# Allegro board A523-EVB-AXP717C-LPDDR4-4X-32X1-V1-0.brd (continued)
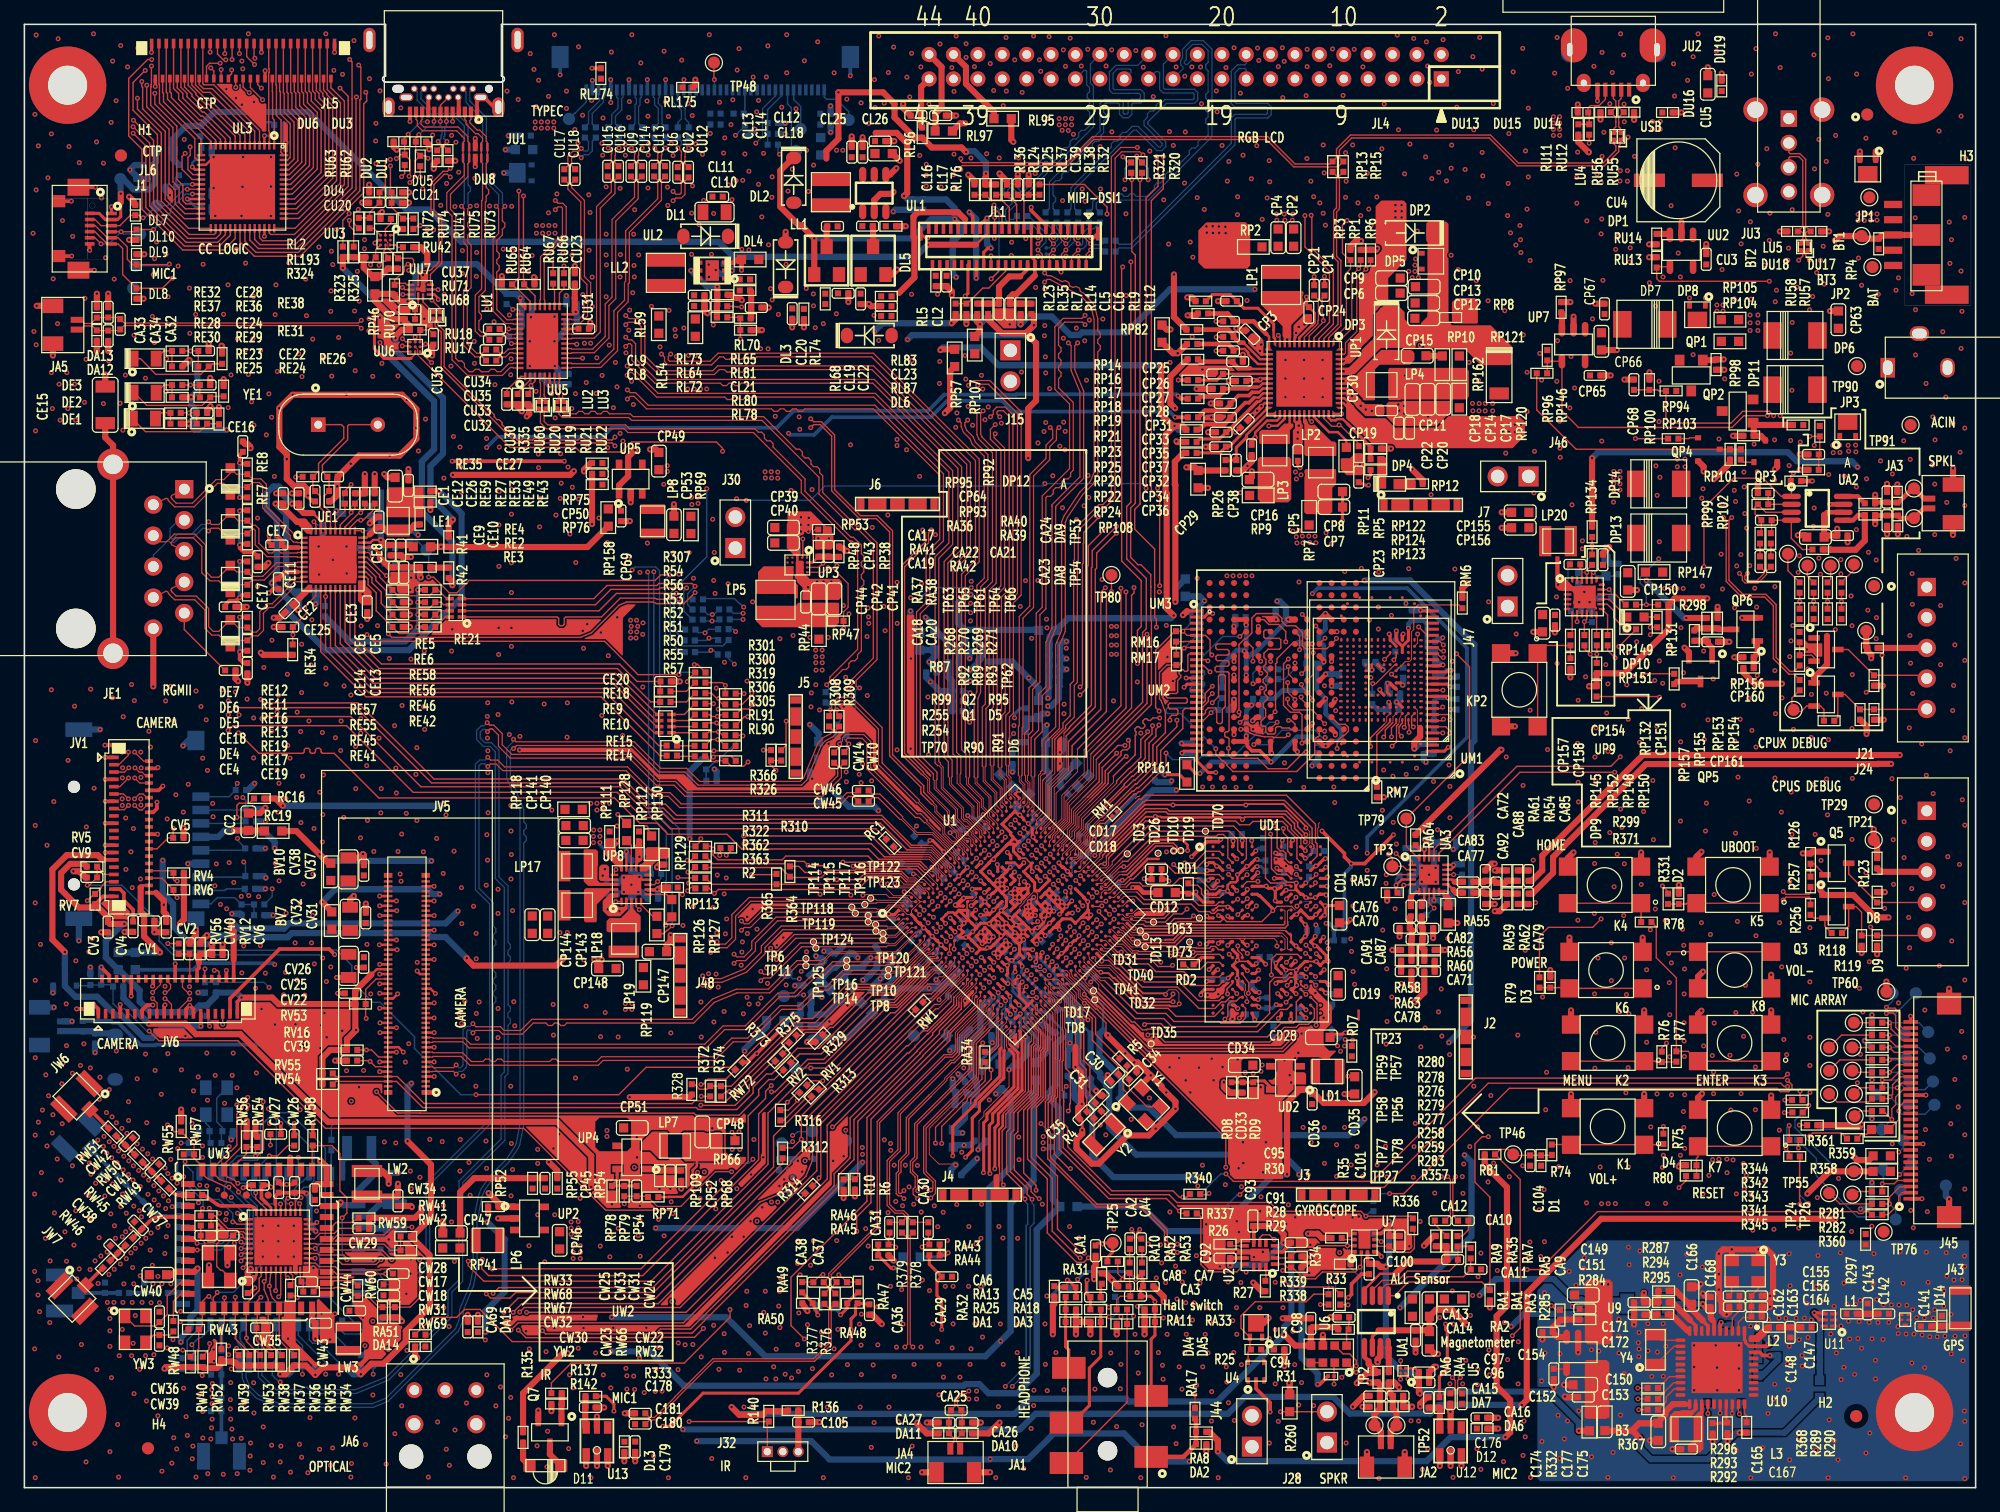
[diagram p0: board, top side]
## Routing (per net, layer and track width the routed paths; a pad name or vN(x,y) marks a point on that pad's centre or on a via; arc(x,y) is an arc through that point) (continued)
SAA2: length 18.5
  TOP w0.102: U1.AC26 88.63,48.05 v1(88.68,48.09) ; v1(104.27,48.41) 103.87,48.01 UD1.H9
  L4 w0.114: v1(88.68,48.09) 88.72,48.09 89.4,48.77 91.82,48.77 92.36,49.31 98.97,49.31 98.98,49.32 99.55,49.32 99.83,49.04 99.83,48.9 100.09,48.64 100.59,48.64 101.16,48.06 101.17,48.06 101.38,47.85 101.38,47.85 101.52,47.71 103.56,47.71 103.67,47.82 103.68,47.82 103.95,48.09 103.95,48.1 v1(104.27,48.41)
SAA3: length 18.9
  TOP w0.102: v1(88.35,47.71) 88.34,47.71 88.29,47.66 87.63,47.66 U1.AC25
  TOP w0.114: UD1.H10 v1(104.34,47.69)
  L4 w0.114: v1(104.34,47.69) 104.02,47.37 104.02,47.37 103.14,46.49 94.18,46.49 92.22,48.45 89.56,48.45 88.77,47.66 88.41,47.66 88.35,47.71 v1(88.35,47.71)
SAA4: length 19.1
  TOP w0.102: UD1.H11 105.47,48.01 v1(105.14,47.69)
  TOP w0.114: U1.AE26 v1(88.98,47.02)
  L4 w0.076: 88.98,47.44 89.25,47.71 92.43,47.71
  L4 w0.114: 88.98,47.44 v1(88.98,47.02) ; v1(105.14,47.69) 105.14,47.36 103.9,46.12 94.03,46.12 92.43,47.71
SAA5: length 19.1
  TOP w0.102: v1(89.38,47.37) 89.33,47.37 U1.AE27
  TOP w0.114: UD1.J11 105.78,47.68 v1(105.89,47.68)
  L4 w0.076: 92.1,47.42 89.43,47.42 v1(89.38,47.37)
  L4 w0.114: 92.1,47.42 93.77,45.75 104.05,45.75 105.89,47.59 v1(105.89,47.68)
SAB0: length 13.1
  TOP w0.114: U1.AE21 86.89,45.63 v1(87.19,45.93) ; v1(94.65,43.5) 94.7,43.45 95.88,43.45 96.16,43.73 98,43.73 UD1.R2
  L4 w0.076: 91.38,44.65 90.45,44.65 90.44,44.64 89.6,44.64 89.08,45.16 88.71,45.16 87.94,45.93 v1(87.19,45.93)
  L4 w0.114: v1(94.65,43.5) 94.65,43.41 94.46,43.22 93.72,43.22 93.47,43.48 92.55,43.48 91.38,44.65
SAB1: length 13.5
  TOP w0.114: U1.AD21 86.53,46.03 v1(86.81,46.31) ; UD1.P2 97.92,44.11 97.65,44.38 97.32,44.38 97.17,44.24 96.12,44.24 96.08,44.28 95.38,44.28 94.97,43.87 94.28,43.87 94.02,43.6 v1(93.96,43.6)
  L4 w0.076: v1(86.81,46.31) 87.42,46.31 87.63,46.1 87.98,46.1 88.73,45.35 91.2,45.35
  L4 w0.114: v1(93.96,43.6) 93.94,43.6 93.69,43.85 92.7,43.85 91.2,45.35
SAB2: length 19.3
  TOP w0.102: UD1.R9 103.87,43.46 103.58,43.18 v1(103.48,43.08)
  TOP w0.114: U1.AG21 v1(87.92,45.19)
  L4 w0.076: 90.71,44.27 89.46,44.27 89.11,44.62 88.5,44.62 v1(87.92,45.19)
  L4 w0.114: v1(103.48,43.08) 102.77,42.37 102.77,42.01 102.11,41.35 97.75,41.35 97.55,41.15 96.64,41.15 96.36,41.43 93.56,41.43 90.71,44.27
SAB3: length 20.7
  TOP w0.114: v1(102.25,42.05) 102.25,43.32 102.66,43.73 104.4,43.73 UD1.R10 ; U1.AF21 87.24,45.27 v1(87.55,45.57)
  L4 w0.076: 91.04,44.45 89.54,44.45 89.03,44.96 88.66,44.96 88.04,45.57 v1(87.55,45.57)
  L4 w0.114: v1(102.25,42.05) 102.22,42.08 101.03,42.08 101.01,42.06 99.66,42.06 99.6,42.12 98.53,42.12 98.44,42.02 93.48,42.02 91.05,44.45 91.04,44.45
SAB4: length 20.5
  TOP w0.102: U1.AE23 87.86,46.55 87.91,46.55 v1(87.93,46.57) ; UD1.R11 105.12,43.81 v1(105.05,43.81)
  L4 w0.076: 89.13,45.87 88.43,46.57 v1(87.93,46.57)
  L4 w0.114: 89.13,45.87 90.25,45.87 90.64,46.26 91.39,46.26 93.02,44.63 95.66,44.63 96.19,44.1 99.15,44.1 99.27,43.98 99.66,43.98 99.92,44.25 99.92,44.61 100.13,44.82 103.31,44.82 104.32,43.81 v1(105.05,43.81)
SAB5: length 17.9
  TOP w0.102: v1(105.09,44.49) UD1.P11 ; U1.AG25 v1(89.35,46.62)
  L4 w0.114: v1(89.35,46.62) 89.64,46.91 91.48,46.91 91.76,46.63 92.08,46.63 93.35,45.37 104.21,45.37 v1(105.09,44.49)
SBU1: length 44.3
  TOP w0.114: v1(33.39,92.27) 33.33,92.27 UU6.A1 ; RU62.2 32.01,108.78 32.01,107.43 v1(31.61,107.03) ; RU62.2 32.09,109.59 DU3.2 32.09,110.69 v1(32.34,110.95) ; RU62.2 32.89,109.22 v1(33.1,109.02) ; v1(32.89,93.78) 32.67,93.56 UU6.B1 ; v1(33.59,112.04) 33.62,112.06 JU1.A8
  L4 w0.114: v1(32.89,93.78) 32.89,94.1 31.34,95.66 30.98,95.66 30.15,96.48 30.15,102.79 31.06,103.7 31.06,106.48 v1(31.61,107.03) ; v1(33.39,92.27) 33.8,92.67 33.8,94.04 30.57,97.27 30.57,102.76 32.23,104.42 32.23,106.74 32.94,107.45 32.94,108.41 33.1,108.56 v1(33.1,109.02)
  BOTTOM w0.114: v1(33.59,112.04) 33.59,111.75 33.48,111.63 33.03,111.63 v1(32.34,110.95)
SBU1-1: length 19.8
  TOP w0.114: v1(40.55,106.33) 40.55,99.23 RU65.1 40.34,98.34 40.41,98.34 41.47,97.28 UU5.27 ; RU62.1 32.46,107.49 v1(32.47,107.49)
  L3 w0.114: v1(40.55,106.33) 33.62,106.33 v1(32.47,107.49)
SBU2: length 45.3
  TOP w0.114: v1(29.16,93.9) 29.16,93.83 29.83,93.16 UU6.A3 ; v1(31.55,107.54) 31.62,107.62 31.62,108.88 RU63.2 ; v1(30.51,108.99) 30.83,109.32 RU63.2 ; v1(30.99,93.63) 31.57,93.63 UU6.B3 ; RU63.2 31.18,110.33 DU6.2 31.13,110.64 v1(31.47,110.98)
  L4 w0.076: JU1.B8 34.12,114.72 33.81,114.41 33.81,114.41 33.58,114.18 33.58,113.72
  L4 w0.114: v1(31.55,107.54) 30.71,106.71 30.71,103.8 29.84,102.93 29.84,94.34 30.55,93.63 v1(30.99,93.63) ; v1(33.05,112.02) 33.05,113.18 33.58,113.72 ; v1(30.51,108.99) 30.38,108.86 30.38,104 29.56,103.17 29.56,94.3 v1(29.16,93.9)
  BOTTOM w0.114: v1(31.47,110.98) 32.5,112.02 v1(33.05,112.02)
SBU2-1: length 21.3
  TOP w0.114: UU5.26 41.87,97.73 41.34,98.27 41.34,98.32 RU64.1 40.98,99.09 40.92,99.14 v1(40.92,105.93) ; RU63.1 31.18,107.76 v1(30.93,107.51)
  L3 w0.114: v1(30.93,107.51) 31.25,107.19 31.25,106.88 31.46,106.67 31.77,106.67 32.51,105.93 v1(40.92,105.93)
SCKE0-A: length 10.9
  TOP w0.076: 91.56,46.19 90.87,46.19 90.87,46.19 90.53,46.53 90.17,46.53 U1.AH27
  TOP w0.114: 91.56,46.19 91.75,46.19 91.9,46.05 93.68,46.05 94.3,46.67 95.64,46.67 v1(95.86,46.89) ; UD1.J4 99.87,47.36 v1(99.5,46.99)
  L4 w0.114: v1(95.86,46.89) 96.24,47.27 98.86,47.27 99.18,46.95 99.46,46.95 v1(99.5,46.99)
SCKE0-B: length 13.2
  TOP w0.076: 89.49,44.38 89.92,44.38 90.07,44.23 90.26,44.05 90.26,44.05 90.72,43.59
  TOP w0.097: U1.AJ23 89.49,44.38
  TOP w0.102: v1(100.28,43.81) 99.98,44.11 UD1.P4
  TOP w0.114: 90.72,43.59 90.97,43.59 91.19,43.37 92.32,43.37 92.95,42.74 94.05,42.74 v1(94.15,42.84)
  L4 w0.114: v1(94.15,42.84) 94.16,42.82 96.42,42.82 96.88,43.29 98.84,43.29 99.23,43.67 100.14,43.67 v1(100.28,43.81)
SCKE1-A: length 13.3
  TOP w0.076: U1.AG27 90.07,46.99 90.32,46.74 90.53,46.74 90.67,46.89 90.88,46.89 91.02,46.74 91.59,46.74
  TOP w0.102: v1(101.02,47.7) 100.68,47.36 UD1.J5
  TOP w0.114: v1(94.44,47.45) 94.21,47.45 93.45,46.69 91.64,46.69 91.59,46.74
  L4 w0.114: v1(94.44,47.45) 94.84,47.05 95.49,47.05 96.18,47.74 98.21,47.74 98.42,47.94 98.81,47.94 99.34,47.41 99.71,47.41 99.81,47.31 100.63,47.31 v1(101.02,47.7)
SCKE1-B: length 15.2
  TOP w0.076: U1.AH23 89.01,45.22 89.66,44.57 90.07,44.57 90.81,43.83
  TOP w0.102: v1(101.02,44.42) 100.98,44.42 UD1.P5
  TOP w0.114: 90.81,43.83 91.25,43.83 91.35,43.73 92.69,43.73 93.18,43.25 v1(93.18,43.1)
  L4 w0.114: v1(101.02,44.42) 101.02,44.06 99.87,42.91 98.49,42.91 98.48,42.92 97.04,42.92 96.51,42.39 94.03,42.39 93.35,43.07 93.2,43.07 v1(93.18,43.1)
SCKN-A: length 15.7
  TOP w0.076: UD1.J9 103.65,47.36 103.57,47.28 103.57,46.46 103.59,46.43 103.59,46.41 ; 91.38,45.29 91.36,45.31 90.75,45.31 90.13,45.93 U1.AJ26
  TOP w0.114: TD40.1 91.95,45.29
  TOP w0.127: 103.59,46.41 103.59,46.13 103.37,45.9 94.78,45.9 94.17,45.29 91.38,45.29
SCKN-B: length 16.2
  TOP w0.076: U1.AJ25 89.79,45.5 90,45.5 90.3,45.2 90.3,45.12 90.36,45.06 90.49,44.93 90.49,44.93 90.88,44.54 91.26,44.54 ; 91.26,44.54 91.45,44.54 91.48,44.57 ; 91.26,44.54 TD41.1 ; 102.95,45.49 103.13,45.49 103.57,45.05 103.57,44.19 103.64,44.11 UD1.P9
  TOP w0.127: 91.48,44.57 91.6,44.69 94.29,44.69 95.08,45.49 102.95,45.49
SCKP-A: length 15.8
  TOP w0.076: UD1.J8 103.29,47.36 103.37,47.29 103.37,46.46 103.34,46.43 103.34,46.41 ; U1.AH26 90.07,46.28 90.83,45.52 91.35,45.52 91.38,45.54 91.38,45.54
  TOP w0.114: TD31.1 91.49,45.54 91.5,45.54
  TOP w0.127: 103.34,46.41 103.34,46.23 103.26,46.16 94.68,46.16 94.06,45.54 91.38,45.54
SCKP-B: length 17
  TOP w0.076: 102.85,45.23 103.1,45.23 103.37,44.96 103.37,44.19 103.29,44.11 UD1.P8 ; U1.AH24 88.94,45.64 88.94,45.73 89,45.79 89.14,45.79 89.64,45.3 89.91,45.3 90.1,45.11 90.1,45.03 90.21,44.92 90.28,44.85 90.28,44.85 90.79,44.34 91.61,44.34
  TOP w0.114: TD32.1 91.9,44.44 91.9,44.44
  TOP w0.127: 91.61,44.34 91.71,44.44 94.4,44.44 95.19,45.23 102.85,45.23
SCS0-A: length 11.2
  TOP w0.076: U1.AJ28 90.91,46.5 91.87,46.5
  TOP w0.114: UD1.H4 99.98,48.01 100.27,48.3 v1(100.28,48.3) ; 91.87,46.5 91.99,46.38 TD13.1 93.55,46.38 94.22,47.05 94.93,47.05 v1(95.33,47.45)
  L4 w0.114: v1(95.33,47.45) 95.99,48.11 97.9,48.11 98.05,48.25 98.98,48.25 99.34,47.89 99.86,47.89 v1(100.28,48.3)
SCS0-B: length 14.8
  TOP w0.102: v1(99.49,44.42) 99.49,44.07 99.87,43.7 UD1.R4
  TOP w0.114: U1.AF25 88.11,47.18 v1(88.11,47.26)
  L4 w0.114: v1(99.49,44.42) 98.92,45 93.17,45 91.87,46.29 91.69,46.29 91.47,46.52 90.36,46.52 90.07,46.23 89.23,46.23 88.29,47.17 88.21,47.17 88.12,47.26 v1(88.11,47.26)
SCS1-A: length 10.4
  TOP w0.076: 91.26,47.47 90.88,47.09 90.53,47.09 U1.AH28
  TOP w0.114: UD1.H3 99.17,48.01 99.42,48.26 v1(99.49,48.26) ; 91.26,47.47 v1(93.7,47.47)
  L4 w0.114: v1(93.7,47.47) 94.72,48.49 97.05,48.49 97.13,48.57 99.18,48.57 v1(99.49,48.26)
SCS1-B: length 12.5
  TOP w0.102: U1.AF23 88.24,46.23 v1(88.31,46.23)
  TOP w0.114: UD1.R3 99.07,43.46 v1(98.79,43.74)
  L4 w0.076: v1(88.31,46.23) 89,45.53 91.54,45.53
  L4 w0.114: v1(98.79,43.74) 98.71,43.66 96.13,43.66 96.03,43.55 95.43,43.55 94.74,44.25 92.82,44.25 91.54,45.53
SDC0-CLK: length 72.4
  TOP w0.114: RC1.2 69.81,54.04 52.97,54.04 52.05,54.95 50.69,54.95 48.62,57.02 31.88,57.02 26.42,62.48 17.09,62.48 v1(16.71,62.1)
  L3 w0.114: v1(17.47,53.24) 17.29,53.24 16.32,54.2 16.32,61.72 v1(16.71,62.1)
  BOTTOM w0.114: JC1.5 17.95,52.27 DC8.2 18.1,52.46 17.47,53.09 v1(17.47,53.24)
SDC0-CMD: length 81.5
  TOP w0.076: U1.A12 75.22,50.94 74.24,51.92 73.7,51.92
  TOP w0.114: v1(17.42,54.97) 17.42,55.96 17.6,56.13 18.45,56.13 RC16.1 ; v1(58.98,53.44) 69.45,53.44 70.98,51.92 73.7,51.92
  L3 w0.114: v1(17.42,54.97) 17.42,55.04 16.81,55.65 16.81,59.15 17.17,59.51 17.17,64.06 v1(16.71,64.52)
  L4 w0.114: v1(16.71,64.52) 16.95,64.28 29.61,64.28 35.82,58.08 54.34,58.08 v1(58.98,53.44)
  BOTTOM w0.114: JC1.3 17.98,54.47 DU22.2 17.81,54.97 v1(17.42,54.97)
SDC0-D0: length 83.1
  TOP w0.076: U1.B13 75.93,50.95 74.39,52.49 73.94,52.49
  TOP w0.114: 73.94,52.49 72.66,52.49 70.33,54.81 53.31,54.81 52.4,55.73 51.05,55.73 48.99,57.8 33.38,57.8 27.21,63.97 17.31,63.97 v1(16.71,63.37)
  L3 w0.114: v1(17.98,51.31) 15.86,53.43 15.86,62.52 v1(16.71,63.37)
  BOTTOM w0.114: JC1.7 18.04,50.07 DC7.2 18.12,51.17 v1(17.98,51.31)
SDC0-D1: length 83.8
  TOP w0.076: 74.08,52.68 74.42,52.68 75.92,51.18 75.98,51.18 76.28,50.88 U1.C13
  TOP w0.114: 74.08,52.68 72.75,52.68 70.29,55.13 53.48,55.13 52.56,56.06 51.18,56.06 49.12,58.12 33.59,58.12 27.34,64.36 19.67,64.36 v1(19.38,64.64)
  L3 w0.114: v1(19.38,64.64) 18.4,63.67 v1(18.4,48.55)
  BOTTOM w0.114: JC1.8 16.44,48.97 16.58,49.11 DC6.2 18.07,48.89 v1(18.4,48.55)
SDC0-D2: length 71.7
  TOP w0.076: 73.48,51.54 74.19,51.54 74.73,51 74.73,50.8 75.22,50.31 U1.B11
  TOP w0.114: 73.48,51.54 70.06,51.54 69.22,52.37 58.82,52.37 57.61,53.58 52.78,53.58 51.86,54.5 50.46,54.5 48.39,56.56 29.06,56.56 25.4,60.22 24.44,60.22 24.32,60.34 24.32,60.52 24.21,60.63 23.98,60.63 23.86,60.52 23.86,60.34 23.75,60.22 23.52,60.22 23.41,60.34 23.41,60.52 23.29,60.63 23.06,60.63 22.95,60.52 22.95,60.34 22.84,60.22 19.23,60.22 v1(17.55,61.9)
  L3 w0.114: v1(17.55,61.9) 17.55,58.33 17.45,58.24 v1(17.45,57.76)
  BOTTOM w0.114: v1(17.45,57.76) 17.33,57.63 DC10.2 16.79,56.67 JC1.1
SDC0-D3: length 76.1
  TOP w0.076: 73.62,51.73 74.22,51.73 74.96,50.99 74.96,50.79 75.57,50.17 U1.C11
  TOP w0.114: 73.62,51.73 70.52,51.73 69.43,52.81 v1(59.01,52.81)
  L3 w0.114: v1(17.6,63.37) 17.91,63.06 v1(17.91,56.59)
  L4 w0.114: v1(59.01,52.81) 54.07,57.76 35.66,57.76 29.46,63.96 18.19,63.96 v1(17.6,63.37)
  BOTTOM w0.114: JC1.2 18.06,55.57 DC9.2 18.14,56.36 v1(17.91,56.59)
SDC0-DET: length 78.2
  TOP w0.076: 73.86,52.3 74.37,52.3 75.68,50.99 75.68,50.77 75.82,50.63 75.82,50.28 U1.C12
  TOP w0.114: v1(19.48,63.07) 19.64,63.24 26.76,63.24 32.51,57.48 48.85,57.48 50.91,55.41 52.25,55.41 53.16,54.5 70.18,54.5 72.38,52.3 73.86,52.3
  L3 w0.114: v1(19.48,63.07) 19.35,62.95 19.35,51.35 20.32,50.38 v1(20.32,49.11)
  BOTTOM w0.114: RC20.1 20.32,48.47 v1(20.32,49.11)
SDQ0: length 18.5
  TOP w0.114: U1.AA24 86.53,47.96 v1(86.78,47.72) ; UD1.E4 99.9,49.96 100.18,50.24 100.23,50.24 100.25,50.26 v1(100.26,50.26)
  L4 w0.114: v1(86.78,47.72) 86.78,48.39 88.5,50.11 88.72,50.11 89.92,51.31 90.7,51.31 92.47,53.08 93.97,53.08 94.35,53.46 96.51,53.46 97.8,52.18 98.25,52.18 98.87,51.56 98.87,51.55 100.16,50.26 v1(100.26,50.26)
SDQ1: length 22
  TOP w0.076: U1.AA23 86.4,47.47 v1(86.4,47.37)
  TOP w0.114: UD1.F4 99.87,49.32 100.24,49.7 101.03,49.7 101.04,49.71 101.13,49.71 v1(101.14,49.72)
  L4 w0.114: v1(86.4,47.37) 86.4,48.29 88.54,50.43 88.71,50.43 89.84,51.56 90.36,51.56 92.41,53.61 93.73,53.61 94,53.88 96.7,53.88 97.91,52.67 99.02,52.67 100.63,51.06 100.63,50.23 v1(101.14,49.72)
SDQ2: length 11.2
  TOP w0.076: U1.AC28 89.01,48.76 89.7,49.45 90.23,49.45
  TOP w0.114: UD1.E2 97.95,50.28 96.84,50.28 96.72,50.39 94.35,50.39 93.54,51.21 92.13,51.21 91.82,50.9 91.82,50.8 90.93,49.91 90.68,49.91 90.23,49.45
SDQ3: length 10.1
  TOP w0.076: 90.35,49.26 89.86,49.26 U1.AD29
  TOP w0.114: UD1.F2 97.91,49.31 97.64,49.05 97.26,49.05 96.34,49.97 94.72,49.97 94.09,49.34 91.73,49.34 91.46,49.61 90.7,49.61 90.35,49.26
SDQ4: length 13.4
  TOP w0.114: UD1.B2 98,52.18 96.89,52.18 95.94,51.23 v1(95.15,51.23) ; v1(87.57,48.43) 87.25,48.76 U1.AA26
  L4 w0.114: v1(95.15,51.23) 94.79,51.59 91.62,51.59 90.52,50.49 89.43,50.49 88.19,49.25 87.91,49.25 87.57,48.92 v1(87.57,48.43)
SDQ5: length 15.2
  TOP w0.076: 89.76,51.41 88.6,50.25 88.38,50.25 87.95,49.82 U1.Y28
  TOP w0.114: UD1.B4 99.49,52.29 99.49,53.13 98.79,53.84 TD70.1 92.29,53.84 TD3.1 90.3,51.84 90.19,51.84 89.76,51.41
SDQ6: length 12.4
  TOP w0.114: v1(94.24,51.1) 94.53,50.81 96.13,50.81 96.95,51.64 97.89,51.64 UD1.C2 ; U1.AA27 87.65,49.11 v1(87.95,48.81)
  L4 w0.114: v1(94.24,51.1) 91.44,51.1 90.5,50.16 89.43,50.16 88.08,48.81 v1(87.95,48.81)
SDQ7: length 16.6
  TOP w0.076: U1.Y29 88.33,50.55 88.64,50.55 89.2,51.11 89.2,51.33
  TOP w0.114: 89.2,51.33 92.12,54.25 99.15,54.25 100.2,53.21 100.2,51.59 UD1.C4
SDQ8: length 24.7
  TOP w0.114: v1(102.18,53.59) 102.26,53.52 102.26,50.76 102.72,50.29 103.54,50.29 UD1.E9 ; v1(85.36,48.88) 85.47,48.77 U1.W23
  L4 w0.076: 86.4,48.88 v1(85.36,48.88)
  L4 w0.114: v1(102.18,53.59) 101.53,53.59 101.14,53.99 101.13,53.99 101.12,54 97.17,54 96.87,54.3 93.82,54.3 93.68,54.15 92.36,54.15 90.19,51.98 89.88,51.98 88.57,50.67 88.19,50.67 86.4,48.88
SDQ9: length 25.5
  TOP w0.114: U1.W24 85.83,49.16 v1(85.76,49.23) ; UD1.F9 103.78,49.4 103.44,49.4 103.27,49.58 102.19,49.58 101.77,50 101.77,54.06 v1(101.7,54.13)
  L4 w0.076: 88.54,51.59 86.18,49.23 v1(85.76,49.23)
  L4 w0.114: 88.54,51.59 89.15,51.59 92.17,54.61 93.52,54.61 93.63,54.72 97.05,54.72 97.35,54.42 101.41,54.42 v1(101.7,54.13)
SDQ10: length 23.7
  TOP w0.076: U1.W26 86.53,49.47 v1(86.21,49.8)
  TOP w0.114: v1(103.23,54.05) 103.23,53.7 103.58,53.34 103.58,52.2 UD1.B9
  L4 w0.076: 88.47,52.05 86.94,50.52 86.48,50.52 86.21,50.25 v1(86.21,49.8)
  L4 w0.114: v1(103.23,54.05) 103.23,54.57 102.2,55.59 93.76,55.59 93.51,55.84 92.21,55.84 88.47,52.1 88.47,52.05
SDQ11: length 23.2
  TOP w0.114: U1.W27 86.89,49.87 v1(86.58,50.17) ; UD1.C9 103.7,51.26 103.43,51.54 103.43,52.02 103.23,52.22 102.97,52.22 102.72,52.48 102.72,54.05 v1(102.49,54.28)
  L4 w0.076: v1(86.58,50.17) 86.85,50.17 88.54,51.87
  L4 w0.114: 88.54,51.87 88.83,51.87 92.38,55.43 93.28,55.43 93.3,55.4 93.31,55.4 93.53,55.18 102.03,55.18 102.59,54.61 102.59,54.38 v1(102.49,54.28)
SDQ12: length 26.1
  TOP w0.076: 87.22,52.13 87.22,51.56 U1.U29
  TOP w0.114: 87.22,52.13 88.47,53.38 88.47,53.56 91.38,56.46 91.59,56.46 91.91,56.78 103.49,56.78 105.87,54.4 105.87,52.93 106,52.8 106,51.8 UD1.C11
SDQ13: length 25.4
  TOP w0.076: U1.U27 86.53,50.53 87.45,51.45 87.45,51.99
  TOP w0.114: 87.45,51.99 88.74,53.29 88.77,53.29 91.72,56.24 91.82,56.24 91.94,56.36 103.31,56.36 105.59,54.09 105.59,52.82 105.74,52.67 105.74,52.45 105.59,52.3 105.59,52.03 UD1.B11
SDQ14: length 33.2
  TOP w0.102: U1.U24 84.8,49.79 v1(84.78,49.79)
  TOP w0.114: UD1.F11 105.66,49.31 105.86,49.51 v1(105.86,49.6)
  L4 w0.076: 87.15,51.71 87.15,51.7 85.23,49.79 v1(84.78,49.79)
  L4 w0.114: v1(105.86,49.6) 106.71,50.45 106.79,50.45 107.28,50.94 107.29,50.95 107.29,50.96 107.4,51.07 107.4,54.42 105.05,56.77 91.88,56.77 87.15,52.03 87.15,51.71
SDQ15: length 32
  TOP w0.114: v1(84.37,49.48) 84.74,49.11 U1.U23 ; v1(105.92,50.29) 105.89,50.27 105.89,50.22 105.64,49.96 UD1.E11
  L4 w0.076: 84.38,49.47 85.18,49.47 87.38,51.66
  L4 w0.114: v1(105.92,50.29) 105.92,50.48 106.3,50.86 106.3,51.79 106.93,52.43 106.93,54.23 104.82,56.35 92.06,56.35 88.23,52.53 87.91,52.53 87.38,51.99 87.38,51.66 ; 84.38,49.47 v1(84.37,49.48)
SDQ16: length 11.5
  TOP w0.076: 89.78,43.48 89.07,44.2 88.62,44.2 88.3,44.52 U1.AH21
  TOP w0.114: 89.78,43.48 90.48,43.48 91.02,42.95 92.15,42.95 92.78,42.32 95.06,42.32 95.5,41.88 97.98,41.88 UD1.U2
SDQ17: length 11.3
  TOP w0.076: U1.AJ21 88.47,43.99 88.79,43.99 89.6,43.18
  TOP w0.114: 89.6,43.18 90.2,43.18 90.88,42.49 91.87,42.49 92.48,41.88 94.9,41.88 95.61,41.18 97.93,41.18 UD1.V2
SDQ18: length 19.8
  TOP w0.076: v1(86.1,45.6) 86.1,45.5 U1.AD19
  TOP w0.114: v1(100.36,40.54) 100.4,40.58 100.4,41.4 99.86,42.12 UD1.U4
  L4 w0.076: 89.75,43.29 88.82,44.22 88.18,44.22 86.8,45.6
  L4 w0.114: v1(86.1,45.6) 86.8,45.6 ; v1(100.36,40.54) 99.82,40.13 99.69,40 99.69,40 98.92,39.23 94.28,39.23 92.8,40.71 92.03,41.81 90.55,43.29 89.75,43.29
SDQ19: length 14.1
  TOP w0.114: U1.AF19 86.53,44.56 v1(86.84,44.87) ; UD1.Y2 98.23,40.21 97.96,39.95 96.25,39.95 94.73,41.47 91.84,41.47 v1(91.54,41.76)
  L4 w0.076: 89.65,43.02 88.7,43.97 88.19,43.97 87.3,44.87 v1(86.84,44.87)
  L4 w0.114: 89.65,43.02 90.22,43.02 91.48,41.76 v1(91.54,41.76)
SDQ20: length 18.3
  TOP w0.076: v1(100.25,39.85) 100.25,40.2 100.04,40.41 100.04,40.69 100.12,40.76 100.12,41.26 UD1.V4
  TOP w0.102: U1.AG19 v1(87.21,44.49)
  L4 w0.076: v1(87.21,44.49) 87.96,43.74 88.54,43.74 89.55,42.73
  L4 w0.114: v1(100.25,39.85) 100.25,39.54 99.58,38.87 99.47,38.87 99.41,38.81 94.11,38.81 92.22,40.7 91.94,40.7 89.9,42.73 89.55,42.73
SDQ21: length 14.1
  TOP w0.076: 88.95,41.81 88.24,41.81 87.38,42.67 87.32,42.67 86.89,43.1 U1.AH18
  TOP w0.114: 88.95,41.81 91.45,39.31 93.77,39.31 94.44,38.65 97.58,38.65 98.27,39.33 UD1.AA2
SDQ22: length 16.5
  TOP w0.076: U1.AJ17 87.16,42.48 87.36,42.48 88.25,41.58 88.57,41.58
  TOP w0.114: UD1.AA4 100.14,39.3 100.14,38.55 99.67,38.08 98.12,38.08 97.97,38.23 94.26,38.23 93.6,38.89 91.26,38.89 88.57,41.58
SDQ23: length 19.5
  TOP w0.102: v1(84.98,45.25) 84.99,45.24 84.99,45.09 U1.AC17
  TOP w0.114: v1(98.44,38.42) 98.68,38.66 98.68,39.62 98.96,39.9 99.37,39.9 99.68,40.21 UD1.Y4
  L4 w0.076: 85.94,45.27 87.71,43.51 88.47,43.51 89.43,42.55
  L4 w0.114: 85.94,45.27 85,45.27 v1(84.98,45.25) ; v1(98.44,38.42) 98.4,38.38 93.89,38.38 91.99,40.28 91.76,40.28 89.54,42.5 89.43,42.55
SDQ24: length 24.1
  TOP w0.102: U1.AC15 84.31,44.41 v1(84.31,44.56)
  TOP w0.114: UD1.AA9 103.52,39.22 102.95,39.22 101.12,37.39 93.85,37.39 93.19,38.05 91.92,38.05 v1(91.85,37.98)
  L4 w0.076: v1(84.31,44.56) 85.19,44.56 86.4,43.36 86.51,43.36 87.45,42.42
  L4 w0.114: v1(91.85,37.98) 91.75,37.98 91.69,38.04 91.63,38.04 88.53,41.14 88.53,41.2 87.45,42.28 87.45,42.42
SDQ25: length 27.1
  TOP w0.114: UD1.AA11 105.77,39.26 105.77,38.48 105.28,38 104.53,38 104.28,37.74 103.3,37.74 102.11,36.55 93.51,36.55 92.86,37.19 92.25,37.19 92.19,37.13 v1(92.12,37.13) ; v1(84.69,44.19) 84.41,43.91 U1.AD15
  L4 w0.076: v1(84.69,44.19) 85.35,44.19 87.15,42.39 87.15,42.32
  L4 w0.114: v1(92.12,37.13) 91.95,37.13 91.52,37.56 91.52,37.56 88.23,40.85 88.23,40.85 88.01,41.07 88.01,41.37 87.15,42.23 87.15,42.32
SDQ26: length 28.9
  TOP w0.102: v1(85.42,43.45) 85.42,43.41 U1.AF15
  TOP w0.114: v1(105.89,41.2) 105.58,41.51 UD1.V11
  L4 w0.076: 86.64,42.44 86.64,42.68 85.87,43.45 v1(85.42,43.45)
  L4 w0.114: v1(105.89,41.2) 105.49,40.79 105.49,37.48 104.46,36.45 92.04,36.45 91.35,37.14 91.35,37.14 87.93,40.55 87.74,40.55 86.95,41.34 86.93,41.34 86.64,41.64 86.64,42.44
SDQ27: length 27.8
  TOP w0.114: U1.AG15 v1(85.8,43.07) ; UD1.Y11 106,39.68 106,38.01 v1(105.92,37.93)
  L4 w0.076: 86.34,42.53 v1(85.8,43.07)
  L4 w0.114: v1(105.92,37.93) 105.92,37.31 104.64,36.03 91.86,36.03 91.52,36.37 91.18,36.72 91.17,36.72 87.64,40.25 87.64,40.32 86.34,41.62 86.34,42.53
SDQ28: length 23.1
  TOP w0.076: U1.AH17 86.53,42.75 86.99,42.29 87.32,42.29 88.36,41.24 88.36,41.2
  TOP w0.114: 88.36,41.2 91.09,38.47 93.43,38.47 94.09,37.81 101.02,37.81 102.11,38.89 102.11,41.44 102.51,41.84 103.4,41.84 103.73,42.16 UD1.U9
SDQ29: length 26.6
  TOP w0.114: UD1.U11 105.62,42.16 v1(105.87,41.91) ; v1(86.51,43.78) 86.18,43.45 U1.AG17
  L4 w0.076: 87.73,42.55 v1(86.51,43.78)
  L4 w0.114: 87.73,42.55 87.73,42.32 88.13,41.93 88.33,41.93 91.81,38.46 91.99,38.46 93.33,37.12 102.11,37.12 103.39,38.4 103.39,38.83 103.91,39.35 103.91,41.3 104.14,41.53 104.18,41.53 104.18,41.54 105.49,41.54 v1(105.87,41.91)
SDQ30: length 22.2
  TOP w0.102: U1.AF17 86.13,44.11 v1(86.13,44.16) ; UD1.Y9 v1(103.45,39.8)
  L4 w0.076: v1(86.13,44.16) 86.58,44.16 88.11,42.62
  L4 w0.114: v1(103.45,39.8) 101.19,37.54 93.5,37.54 92,39.04 91.81,39.04 88.77,42.09 88.77,42.24 88.39,42.62 88.11,42.62
SDQ31: length 24
  TOP w0.114: v1(103.54,41.19) 103.58,41.23 UD1.V9 ; v1(85.4,44.89) 85.12,44.62 U1.AD17
  L4 w0.076: 88.65,42.85 88.13,42.85 86.09,44.89 v1(85.4,44.89)
  L4 w0.114: v1(103.54,41.19) 103.41,41.05 103.41,41.03 103.13,40.75 103.13,40.36 102.92,40.15 102.5,40.15 102.16,39.81 102.16,39.14 100.98,37.96 93.68,37.96 92.17,39.46 91.99,39.46 89.42,42.03 89.42,42.08 88.65,42.85
SDQM0: length 14.2
  TOP w0.076: 89.98,51.27 88.76,50.06 88.54,50.06 88.3,49.82 U1.AA29
  TOP w0.114: UD1.C3 98.68,51.65 98.68,53.19 98.31,53.56 97.88,53.56 97.75,53.42 97.03,53.42 97.02,53.42 92.52,53.42 90.47,51.37 90.07,51.37 89.98,51.27
SDQM1: length 22.4
  TOP w0.076: 88.91,51.57 88.91,51.04 88.69,50.82 88.24,50.82 87.59,50.17 U1.W28
  TOP w0.114: 88.91,51.57 88.91,51.64 91.95,54.67 99.32,54.67 99.63,54.36 100.46,54.36 100.74,54.64 103.16,54.64 103.58,54.21 103.58,53.97 104.34,53.21 104.34,51.59 UD1.C10
SDQM2: length 13.9
  TOP w0.076: U1.AH20 87.95,44.16 88.37,43.74 88.67,43.74 89.46,42.95
  TOP w0.114: 89.46,42.95 89.76,42.95 91.66,41.05 94.55,41.05 96.31,39.3 97.62,39.3 98.16,39.83 98.48,39.83 98.86,40.21 UD1.Y3
SDQM3: length 22.9
  TOP w0.076: U1.AJ16 86.76,42.16 86.9,42.16 86.93,42.13 87.21,42.13 87.56,41.78 87.57,41.78 87.75,41.59 87.75,41.59 88.09,41.25 88.09,40.9
  TOP w0.114: UD1.Y10 104.29,39.84 104.29,38.33 104.05,38.09 103.04,38.09 101.92,36.97 93.68,36.97 93.04,37.61 92.08,37.61 92.01,37.54 91.68,37.54 91.04,38.18 90.81,38.18 88.09,40.9
SDQS0N: length 14.4
  TOP w0.076: 90.04,50.52 90.02,50.5 89.74,50.5 88.7,49.46 U1.AB29
  TOP w0.097: UD1.E3 v1(98.74,50.29)
  TOP w0.127: 90.04,50.52 90.33,50.52 92.67,52.86 94.22,52.86 94.49,52.59 94.49,52.48 94.69,52.28 94.71,52.28 94.74,52.25 94.75,52.24 v1(94.82,52.24)
  L4 w0.127: v1(98.74,50.29) 98.74,50.46 98.63,50.57 98.39,50.57 98.15,50.81 98.15,51.16 97.92,51.39 97.38,51.39 96.1,52.67 94.68,52.67 94.55,52.53 94.55,52.44 94.74,52.24 v1(94.82,52.24)
SDQS0P: length 14.6
  TOP w0.076: 90.04,50.27 89.81,50.27 88.76,49.22 88.54,49.22 88.42,49.34 88.3,49.34 88.24,49.28 88.24,49.17 U1.AB28
  TOP w0.097: UD1.D3 v1(98.74,50.94)
  TOP w0.127: 90.04,50.27 90.44,50.27 92.78,52.61 94.11,52.61 94.24,52.48 v1(94.24,52.22)
  L4 w0.127: v1(94.24,52.22) 94.25,52.23 94.25,52.65 94.56,52.96 96.22,52.96 97.5,51.68 98.04,51.68 98.44,51.28 98.44,50.93 98.51,50.86 98.69,50.86 98.74,50.91 v1(98.74,50.94)
SDQS1N: length 26.1
  TOP w0.076: U1.V29 87.31,50.88 88.16,51.73
  TOP w0.097: UD1.E10 104.62,49.96 v1(104.29,50.29)
  TOP w0.127: 88.16,51.73 88.16,51.96 91.88,55.68 93.7,55.68 93.89,55.49 103.48,55.49 104.4,54.56 104.4,54.22 v1(105.08,53.54)
  L4 w0.127: v1(105.08,53.54) 105.15,53.47 105.47,53.47 105.77,53.17 105.77,51.42 104.77,50.41 104.42,50.41 v1(104.29,50.29)
SDQS1P: length 26.2
  TOP w0.076: 88.41,51.73 88.41,51.66 88.26,51.5 88.22,51.5 87.34,50.62 87.19,50.62 87.12,50.55 87.12,50.45 87.07,50.39 86.99,50.39 86.89,50.49 U1.V28
  TOP w0.097: UD1.D10 104.62,50.61 v1(104.3,50.94)
  TOP w0.127: 88.41,51.73 88.41,51.85 91.99,55.42 93.6,55.42 93.79,55.23 103.37,55.23 104.15,54.46 104.15,54.08 104.74,53.49 104.74,53.4 105.03,53.11 v1(105.03,52.96)
  L4 w0.127: v1(105.03,52.96) 105.04,53.05 105.17,53.17 105.35,53.17 105.48,53.05 105.48,51.54 104.65,50.71 104.37,50.71 104.3,50.78 v1(104.3,50.94)
SDQS2N: length 15.1
  TOP w0.076: U1.AJ19 87.67,43.54 87.78,43.54 87.86,43.46 87.86,43.35 87.8,43.29 87.8,43.19 88.15,42.84 89.03,42.84 89.79,42.08 89.82,42.08 89.83,42.08
  TOP w0.127: v1(98.66,40.49) 98.6,40.54 98.6,40.89 99.07,41.36 UD1.V3 ; 89.83,42.08 91.82,40.08 93.89,40.08 94.19,40.37 v1(94.19,40.49)
  L4 w0.127: v1(94.19,40.49) 94.34,40.34 95.3,40.34 95.61,40.02 98.67,40.02 98.88,40.23 98.88,40.35 98.74,40.49 v1(98.66,40.49)
SDQS2P: length 15.2
  TOP w0.076: 89.65,41.9 89.65,41.93 88.94,42.64 88.06,42.64 87.33,43.36 U1.AH19
  TOP w0.127: v1(99.41,40.52) UD1.W3 ; 89.65,41.9 91.72,39.83 94.16,39.83 v1(94.19,39.85)
  L4 w0.127: v1(99.41,40.52) 99.17,40.28 99.17,40.11 98.79,39.73 95.49,39.73 95.18,40.04 94.38,40.04 v1(94.19,39.85)
SDQS3N: length 26.5
  TOP w0.076: 87.44,40.81 87.41,40.81 87.09,41.13 87.09,41.13 U1.AJ15
  TOP w0.127: v1(103.66,37.13) 103.76,37.13 103.88,37.01 103.88,36.8 103.1,36.02 92.23,36.02 87.58,40.67 ; v1(105.08,41.1) 104.82,41.1 104.66,41.26 104.66,41.51 UD1.V10 ; 87.58,40.67 87.44,40.81 ; 87.58,40.67 87.65,40.74 TD17.1
  L4 w0.127: v1(103.66,37.13) 103.85,37.33 103.85,37.87 104.42,38.44 104.42,39.96 104.68,40.23 104.68,40.87 104.91,41.1 v1(105.08,41.1)
SDQS3P: length 26.5
  TOP w0.076: 87.29,40.6 87.29,40.64 86.88,41.05 86.22,41.71 86.15,41.71 85.92,41.95 U1.AH15
  TOP w0.127: 87.29,40.6 87.83,40.07 ; 87.83,40.07 87.77,40.01 TD8.1 ; 87.83,40.07 92.13,35.77 103.21,35.77 104.14,36.7 104.14,37.03 v1(104.22,37.11) ; UD1.W10 v1(105.08,40.45)
  L4 w0.127: v1(104.22,37.11) 104.14,37.18 104.14,37.75 104.71,38.32 104.71,39.84 104.98,40.1 104.98,40.34 v1(105.08,40.45)
SPKL+: length 61
  TOP w0.381: RA39.2 151.79,79.72 CA23.1 DA8.2 153.84,79.5 TP54.1 155.75,80.31 JA3.1
  TOP w0.508: v1(153.07,59.35) 151.99,59.35 151.97,59.33 132.97,59.33 125.35,51.72 125.35,50.42 123.64,48.71 CA79.1 ; RA39.2 v1(151.76,79.03)
  L4 w0.508: v1(153.07,59.35) 153.03,59.39 153.03,60.04 153.07,60.08 153.07,76.05 151.46,77.65 151.46,78.73 v1(151.76,79.03)
SPKL-: length 63.8
  TOP w0.381: JA3.2 155.77,81.11 TP53.1 154.81,81.94 153.66,80.79 DA9.2 152.75,80.79 CA24.1 151.84,80.8 RA40.2
  TOP w0.508: RA40.2 v1(151.76,81.43) ; v1(153.78,60.08) 132.71,60.08 124.46,51.83 124.46,50.62 123.6,49.77 CA85.1
  L4 w0.508: v1(153.78,60.08) 153.78,76.34 152.17,77.95 152.17,78.43 152.47,78.73 152.47,80.71 v1(151.76,81.43)
SPKR+: length 41.7
  TOP w0.508: CA71.1 114.79,40.62 v1(113.97,39.79) ; JA2.1 111.23,4.6 110.72,5.11 TP2.1 110.7,6.03 111.15,6.48 DA7.2 CA15.1 111.15,8.45 RA6.2 v1(110.27,8.62)
  L4 w0.508: v1(110.27,8.62) 111.53,9.88 111.53,15.88 112.19,16.54 112.19,20.57 112.57,20.94 112.57,38.39 v1(113.97,39.79)
SPKR-: length 42.1
  TOP w0.508: JA2.2 112.03,4.63 TP52.1 112.51,6.18 112.21,6.48 DA6.2 CA16.1 111.87,7.86 RA4.2 112.33,8.62 v1(112.72,8.23) ; CA78.1 113.73,41.11 v1(113.98,40.86)
  L4 w0.508: v1(112.72,8.23) 112.24,8.71 112.24,15.58 112.9,16.25 112.9,20.08 113.28,20.45 113.28,38.09 114.68,39.5 114.68,40.16 v1(113.98,40.86)
SRST: length 23.3
  TOP w0.076: v1(85.73,46) 85.73,45.98 85.67,45.92 85.67,45.77 U1.AC19
  TOP w0.102: UD1.T11 105.27,42.62 105.19,42.62 v1(105.1,42.53)
  L4 w0.076: 86.69,45.98 88.24,44.42 88.95,44.42 89.83,43.55
  L4 w0.114: 86.69,45.98 85.75,45.98 v1(85.73,46) ; 89.83,43.55 90.89,43.55 93.37,41.06 96.21,41.06 96.51,40.76 97.68,40.76 97.9,40.98 102.76,40.98 102.99,41.2 102.99,41.23 103.77,42.01 104.46,42.01 104.97,42.53 v1(105.1,42.53)
